# Allegro board FMDEMOD-before-back-annote.brd (continued)
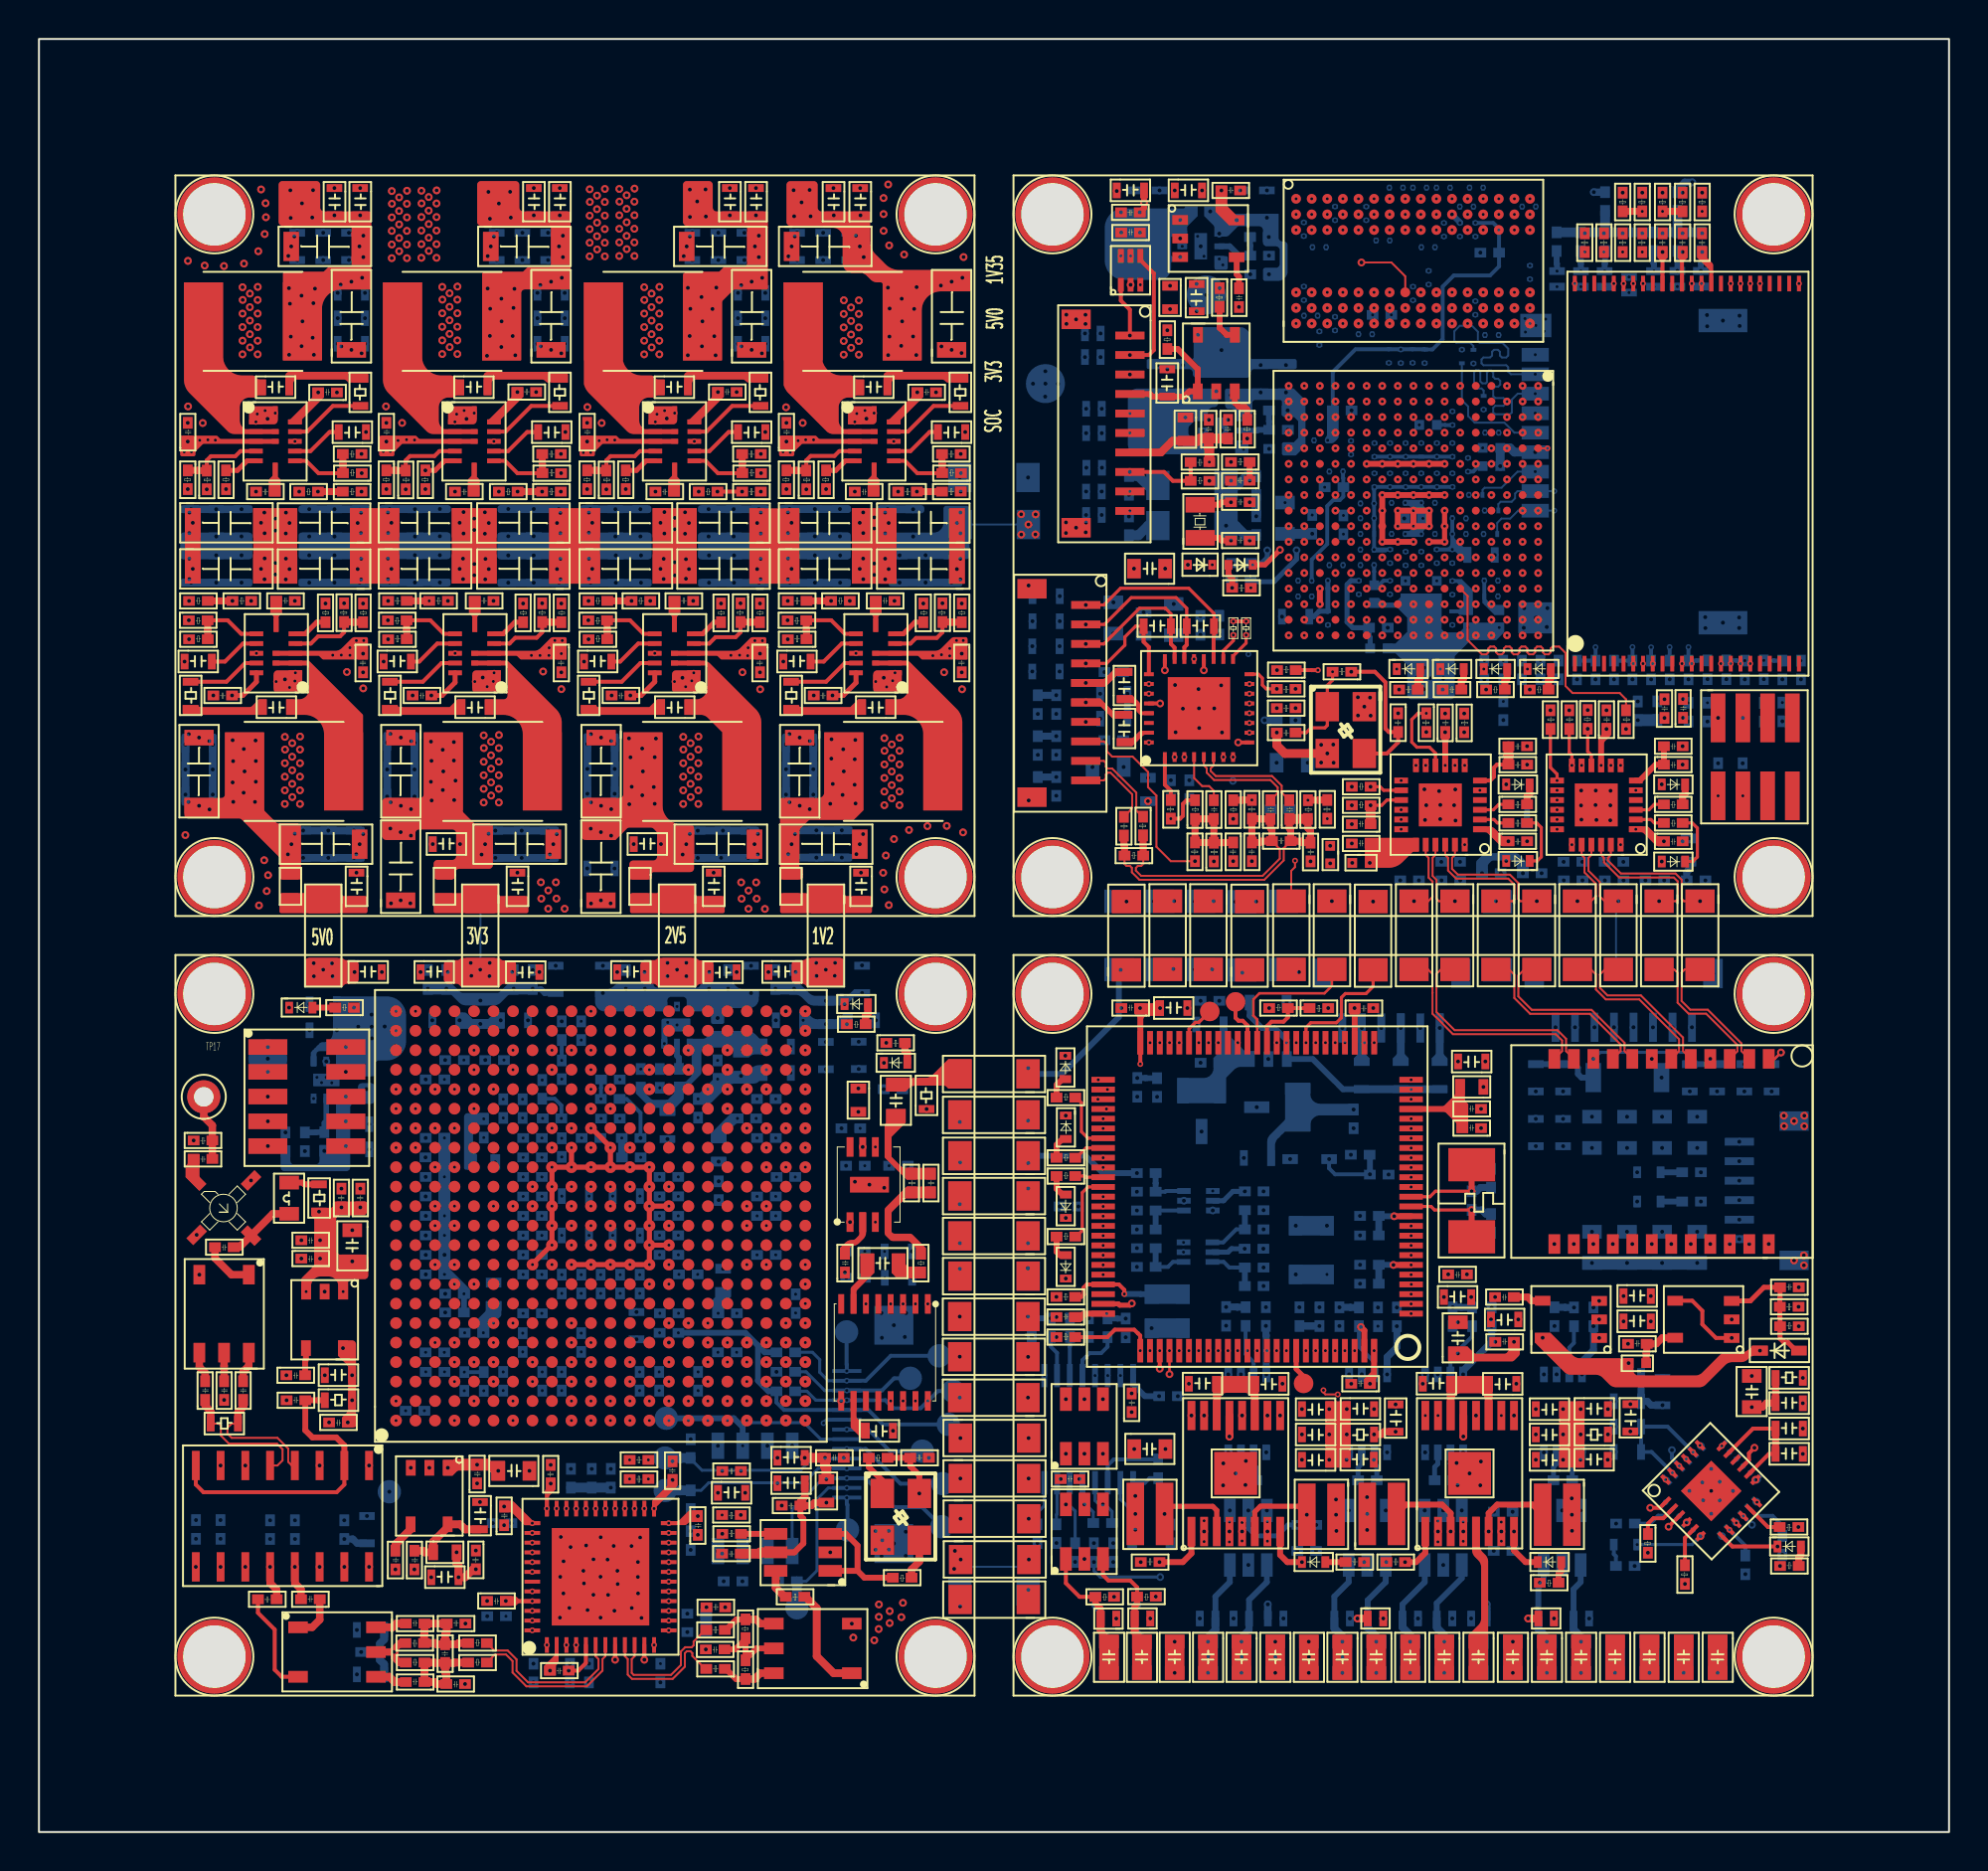
[diagram p0: board, top side]
## Placement (name value [footprint] x y rotation side) (continued)
R125  10K  [R0402]  70.93 57.41 270 top
R126  12.1K  [R0402]  71.94 50.03 0 bottom
R127  33  [R0402]  73.37 56.42 90 top
R128  10K  [R0402]  82.78 57.05 90 bottom
R129  10K  [R0402]  81.78 57.04 90 bottom
R130  10K  [R0402]  87.29 56.97 90 bottom
R131  100K  [R0402]  63.5 57.42 0 top
R132  1M  [R0402]  67.34 59.78 180 top
R133  10K  [R0402]  62.13 70.55 180 top
R134  10K  [R0402]  52.44 54.14 270 bottom
R135  10K  [R0402]  62.71 67.52 270 bottom
R136  10K  [R0402]  62.21 68.59 90 bottom
R137  10K  [R0402]  63.5 58.41 0 top
R138  NC  [R0402]  51.5 54.14 270 bottom
R139  10K  [R0402]  64.49 59.87 180 top
R140  4.7K  [R0201]  61.78 62.07 270 top
R141  4.7K  [R0201]  61.13 62.07 270 top
R150  47K  [R0402]  85.53 82.09 270 bottom
R151  47K  [R0402]  84.31 82.09 270 bottom
R152  47K  [R0402]  83.08 82.09 270 bottom
R155  47K  [R0402]  80.6 82.09 270 bottom
R157  10K  [R0402]  60.33 79.23 270 top
R158  47K  [R0402]  79.36 82.09 270 bottom
R159  47K  [R0402]  78.12 82.09 270 bottom
R160  22  [R0201]  74.17 66.75 0 bottom
R161  22  [R0201]  74.22 67.96 0 bottom
R162  22  [R0201]  73.42 68.76 0 bottom
R164  6.8K  [R0402]  61.74 72.47 270 top
R165  22  [R0201]  73.16 76.01 270 bottom
R168  22  [R0201]  73.97 73.03 90 bottom
R169  22  [R0201]  73.45 75.4 90 bottom
R180  10K  [R0402]  59.08 70.04 0 top
R181  100K  [R0402]  60.06 69.58 180 top
R182  2.2K  [R0402]  59.56 51.97 90 top
R183  100  [R0402]  59.06 50.78 270 top
R184  DNP  [R0402]  60.53 49.79 90 top
R185  DNP  [R0402]  57.82 52.96 270 top
R186  1K  [R0402]  65.85 52.96 270 top
R187  1.5K  [R0402]  65.36 51.97 90 top
R188  DNP  [R0402]  62.84 30.67 180 bottom
R189  DNP  [R0402]  56.32 33.1 0 bottom
R192  33  [R0402]  56.32 34.06 0 bottom
R193  1.5K  [R0402]  61.98 52.96 270 top
R194  33  [R0402]  62.84 31.66 180 bottom
R197  33  [R0402]  62.84 28.72 180 bottom
R198  33  [R0402]  56.32 32.14 0 bottom
R199  DNP  [R0402]  56.32 31.17 0 bottom
R200  1.5K  [R0402]  61.52 51.97 90 top
R201  DNP  [R0402]  62.84 27.76 180 bottom
R203  10K  [R0402]  51.5 56.24 270 bottom
R204  10K  [R0402]  52.44 58.34 270 bottom
R208  DNP  [R1206]  63.45 47.61 270 top
R209  DNP  [R1206]  50.59 27.25 180 top
R210  DNP  [R1206]  50.61 12.73 180 top
R211  DNP  [R1206]  69.25 44.39 90 top
R212  DNP  [R1206]  50.6 29.33 180 top
R213  DNP  [R1206]  74.03 44.38 90 bottom
R214  0  [R1206]  60.91 44.38 90 bottom
R215  0  [R1206]  62.92 44.39 90 top
R216  0  [R1206]  60.4 47.6 270 bottom
R217  0  [R1206]  58.32 47.6 270 bottom
R218  0  [R1206]  57.1 47.61 270 top
R219  0  [R1206]  59.19 47.61 270 top
R220  0  [R1206]  56.21 47.6 270 bottom
R221  0  [R1206]  64.66 47.6 270 bottom
R222  0  [R1206]  50.59 23.09 180 top
R223  0  [R1206]  50.59 25.19 180 top
R224  0  [R1206]  50.6 31.39 180 top
R225  0  [R1206]  50.59 29.78 180 bottom
R226  0  [R1206]  50.6 31.84 180 bottom
R227  0  [R1206]  50.6 33.44 180 top
R228  10K  [R0402]  28.07 41.6 270 bottom
R230  10K  [R0402]  33.69 17.54 270 bottom
R231  10K  [R0402]  38.9 12.61 180 bottom
R232  10K  [R0402]  33.19 19.18 90 bottom
R233  DNP  [R0402]  18.79 9.44 0 top
R234  DNP  [R0402]  19.79 8.94 180 top
R238  33  [R0402]  35.2 8.62 180 top
R239  33  [R0402]  22.99 9.94 180 top
R240  33  [R0402]  22.99 8.94 180 top
R241  100  [R0402]  30.3 17.86 0 top
R242  100  [R0402]  30.3 18.84 0 top
R243  33  [R0402]  35.2 10.62 180 top
R244  49.9  [R0402]  36 8.82 270 top
R245  49.9  [R0402]  36 10.92 270 top
R246  39  [R0603]  13.97 33.33 270 top
R247  1K  [R0402]  37.83 23.86 0 bottom
R248  1K  [R0402]  37.83 22.86 0 bottom
R249  100  [R0402]  38.3 11.82 0 top
R250  1K  [R0402]  37.83 24.86 0 bottom
R251  100  [R0402]  36.03 15.55 180 top
R252  49.9  [R0402]  7.92 35.23 0 top
R253  33  [R0402]  43.8 12.8 0 top
R254  1K  [R0402]  42.57 18.95 0 top
R255  1K  [R0402]  41.44 41.2 0 top
R256  1K  [R0402]  43.46 40.24 0 top
R260  10K  [R0402]  45.01 32.81 90 top
R261  5.1K  [R0402]  45.5 28.7 90 top
R262  10K  [R0603]  45.94 37 90 top
R268  0  [R0603]  7.38 59.12 270 top
R270  DNP  [R0402]  16.88 62.06 90 top
R271  294K  [R0402]  8.67 61.45 180 top
R276  40.2K  [R0402]  7.68 61.92 0 top
R311  DNP  [R0402]  55.37 14.83 270 bottom
R312  0  [R0402]  52.45 15.8 270 bottom
R313  0  [R0402]  54.37 14.83 270 bottom
R314  DNP  [R0402]  51.48 15.8 270 bottom
R316  0  [R0402]  55.51 25.38 90 bottom
R317  DNP  [R0402]  54.58 25.38 90 bottom
R318  DNP  [R0402]  56.32 30.21 0 bottom
R319  0  [R0402]  56.32 29.25 0 bottom
R320  DNP  [R0402]  52.65 25.39 90 bottom
R321  0  [R0402]  53.62 25.39 90 bottom
R322  0  [R0402]  51.66 25.39 90 bottom
R323  DNP  [R0402]  50.69 25.39 90 bottom
R324  1.5K  [R0402]  56.67 50.35 180 top
R325  15K  [R0402]  56.4 52.11 270 top
R326  15K  [R0402]  55.91 51.12 90 top
R327  33  [R1206]  84.43 47.61 270 top
R328  33  [R1206]  82.33 47.61 270 top
R329  33  [R1206]  80.23 47.61 270 top
R330  33  [R1206]  78.13 47.61 270 top
R331  33  [R1206]  76.05 47.61 270 top
R332  33  [R1206]  73.95 47.61 270 top
R333  33  [R1206]  71.85 47.61 270 top
R334  33  [R1206]  69.75 47.61 270 top
R335  0  [R1206]  50.61 33.9 180 bottom
R336  0  [R1206]  50.59 35.99 180 bottom
R337  0  [R1206]  50.6 37.6 180 top
R338  0  [R1206]  50.6 35.5 180 top
R339  0  [R1206]  50.59 38.09 180 bottom
R340  0  [R1206]  50.6 11.54 180 bottom
R341  DNP  [R1206]  50.61 27.72 180 bottom
R342  4.7K  [R0402]  84.3 34.1 0 bottom
R343  6.8K  [R0402]  84.3 32.6 0 bottom
R354  0  [R1206]  13.78 47.6 270 top
R374  10K  [R0402]  21.57 22.63 90 bottom
R375  10K  [R0402]  27.57 24.62 90 bottom
R376  0  [R0402]  30.88 34.36 180 bottom
R377  DNP  [R0402]  29.89 35.86 0 bottom
R378  0  [R0402]  28.82 37.87 0 bottom
R379  DNP  [R0402]  29.81 38.36 180 bottom
R380  DNP  [R0402]  25.57 37.61 90 bottom
R381  0  [R0402]  25.83 36.87 0 bottom
R382  DNP  [R0402]  27.07 39.6 270 bottom
R383  0  [R0402]  27.07 41.6 270 bottom
R384  25  [R0402]  35.04 16.02 0 top
R385  51  [R0603]  8.71 20.55 0 top
R386  10  [R0603]  14.56 21.75 0 top
R387  51  [R0402]  8.31 16.02 270 bottom
R388  10  [R0603]  16.43 14.72 90 bottom
R389  51  [R0402]  12.88 15.03 90 bottom
R390  51  [R0402]  11.61 15.03 90 bottom
R391  DNP  [R1206]  50.6 39.7 180 top
R392  DNP  [R1206]  56.6 44.39 90 top
R393  DNP  [R1206]  47.43 15.28 0 top
R394  DNP  [R1206]  47.42 17.34 0 top
R395  DNP  [R1206]  47.44 13.18 0 top
R396  DNP  [R1206]  47.42 19.41 0 top
R397  0  [R1206]  65.53 47.61 270 top
R398  DNP  [R0402]  57.64 77.06 270 top
R399  1K  [R0402]  16.17 42.55 180 top
R400  1K  [R0402]  53.18 34.84 180 top
R401  1K  [R0402]  53.18 37.93 180 top
R402  1K  [R0402]  53.18 30.8 180 top
R403  1K  [R0402]  53.18 33.91 180 top
R404  0  [R0402]  65.95 26.93 270 bottom
R405  DNP  [R0402]  64.92 26.93 270 bottom
R406  DNP  [R0402]  65.18 42.03 0 top
R407  0  [R0402]  64.09 42.53 180 top
R408  1K  [R0402]  55.67 66.53 90 bottom
R409  JMP  [R1206]  57.56 69.89 0 bottom
R410  JMP  [R1206]  57.56 67.83 0 bottom
R411  0  [R0402]  64.48 56.8 180 bottom
R412  787K  [R0402]  15.4 63.05 270 top
R413  100K  [R0402]  8.67 63.42 180 top
R414  DNP  [R0402]  10.9 63.42 180 top
R415  100K  [R0402]  14.95 62.06 90 top
R423  0  [R0603]  17.6 59.12 270 top
R424  DNP  [R0402]  27.05 62.06 90 top
R425  100K  [R0402]  18.88 63.42 180 top
R426  0  [R1206]  21.84 47.6 270 top
R427  182K  [R0402]  18.88 61.45 180 top
R428  499K  [R0402]  25.57 63.05 270 top
R429  DNP  [R0402]  20.99 63.42 180 top
R430  100K  [R0402]  25.09 62.06 90 top
R431  40.2K  [R0402]  17.89 61.92 0 top
R432  0  [R0603]  27.8 59.12 270 top
R433  DNP  [R0402]  37.24 62.06 90 top
R434  100K  [R0402]  29.17 63.42 180 top
R435  0  [R1206]  31.93 47.6 270 top
R436  127K  [R0402]  29.17 61.45 180 top
R437  180K  [R0402]  35.74 63.05 270 top
R438  DNP  [R0402]  31.37 63.42 180 top
R439  100K  [R0402]  35.25 62.06 90 top
R440  40.2K  [R0402]  28.18 61.92 0 top
R441  0  [R0603]  38.19 59.12 270 top
R442  DNP  [R0402]  47.59 62.06 90 top
R443  100K  [R0402]  39.39 63.42 180 top
R444  0  [R1206]  39.57 47.6 270 top
R445  40.2K  [R0402]  39.39 61.45 180 top
R446  180K  [R0402]  46.1 63.05 270 top
R447  DNP  [R0402]  41.61 63.42 180 top
R448  100K  [R0402]  45.62 62.06 90 top
R449  40.2K  [R0402]  38.4 61.92 0 top
R2681  0  [R0603]  16.89 73.07 90 top
R2701  DNP  [R0402]  7.38 69.87 270 top
R2711  294K  [R0402]  15.58 70.46 0 top
R2761  40.2K  [R0402]  16.57 69.97 180 top
R4121  787K  [R0402]  8.86 68.88 90 top
R4131  100K  [R0402]  15.58 68.53 0 top
R4141  DNP  [R0402]  13.34 68.53 0 top
R4151  100K  [R0402]  9.35 69.87 270 top
R4231  0  [R0603]  27.13 73.07 90 top
R4241  DNP  [R0402]  17.57 69.87 270 top
R4251  100K  [R0402]  25.8 68.53 0 top
R4271  182K  [R0402]  25.81 70.46 0 top
R4281  499K  [R0402]  19.07 68.88 90 top
R4291  DNP  [R0402]  23.59 68.53 0 top
R4301  100K  [R0402]  19.58 69.87 270 top
R4311  40.2K  [R0402]  26.8 69.97 180 top
R4321  0  [R0603]  37.42 73.07 90 top
R4331  DNP  [R0402]  27.88 69.87 270 top
R4361  51.1K  [R0402]  36.07 70.46 0 top
R4371  180K  [R0402]  29.36 68.88 90 top
R4391  100K  [R0402]  29.86 69.87 270 top
R4401  40.2K  [R0402]  37.06 69.97 180 top
R4411  0  [R0603]  47.68 73.07 90 top
R4421  DNP  [R0402]  38.1 69.87 270 top
R4451  51.1K  [R0402]  46.32 70.46 0 top
R4461  180K  [R0402]  39.62 68.88 90 top
R4481  100K  [R0402]  40.13 69.87 270 top
R4491  40.2K  [R0402]  47.31 69.97 180 top
R4501  100K  [R1206]  47.4 70.3 0 bottom
R4502  DNP  [R0402]  36.07 68.53 0 top
R4503  DNP  [R0402]  33.84 68.53 0 top
R4504  DNP  [R0402]  46.32 68.53 0 top
R4505  DNP  [R0402]  44.07 68.53 0 top
R4506  0  [R1206]  50.62 66.29 180 bottom
R4507  0  [R1206]  15.39 47.59 270 bottom
R4508  0  [R1206]  23.45 47.59 270 bottom
R4509  0  [R1206]  33.55 47.59 270 bottom
R4510  0  [R1206]  41.18 47.59 270 bottom
R4511  51.1K  [R0402]  62.13 82.09 0 bottom
R4512  40.2K  [R0402]  63.12 80.64 180 bottom
R4513  51.1K  [R0402]  63.12 79.67 180 bottom
R4514  DNP  [R0402]  60.1 82.9 180 bottom
R4515  DNP  [R0402]  61.17 73.48 180 bottom
R4516  51.1K  [R0402]  64.09 70.72 180 bottom
R4517  51.1K  [R0402]  63.1 73.19 0 bottom
R4518  40.2K  [R0402]  64.09 71.7 180 bottom
R4519  DNP  [R0402]  16.55 38.11 90 bottom
R4520  51.1K  [R0402]  12.4 34.93 90 bottom
R4521  51.1K  [R0402]  14.89 35.92 270 bottom
R4522  40.2K  [R0402]  13.39 34.93 90 bottom
R4523  DNP  [R0402]  34.57 40.79 90 bottom
R4524  51.1K  [R0402]  30.63 38.18 90 bottom
R4525  51.1K  [R0402]  33.08 39.17 270 bottom
R4526  40.2K  [R0402]  31.6 38.18 90 bottom
REF  -  [unnamed#2]  46 43 0 top
REF#2  -  [unnamed#2]  46 49 0 top
REF#3  -  [unnamed#2]  89 83 0 top
REF#4  -  [unnamed#2]  9 43 0 top
REF#5  -  [unnamed#2]  52 49 0 top
REF#6  -  [unnamed#2]  52 9 0 top
REF#7  -  [unnamed#2]  9 49 0 top
REF#8  -  [unnamed#2]  46 9 0 top
REF#9  -  [unnamed#2]  9 83 0 top
REF#10  -  [unnamed#2]  9 9 0 top
REF#11  -  [unnamed#2]  52 83 0 top
REF#12  -  [unnamed#2]  46 83 0 top
REF#13  -  [unnamed#2]  52 43 0 top
REF#14  -  [unnamed#2]  89 43 0 top
REF#15  -  [unnamed#2]  89 9 0 top
REF#16  -  [unnamed#2]  89 49 0 top
T1  M3295NL  [SMD-M3295NL]  90.8 39.9 180 top
T2  ETC1-1T-2TR  [SM-22]  11.41 28.5 180 top
T3  ETC1-1T-2TR  [SM-22]  41.6 7.51 90 top
T4  ETC1-1T-2TR  [SM-22]  13.39 11.14 270 top
TP17  T POINT R  [TP_THR_CIR_1D7_1D0]  8.46 37.72 0 top
TP18  T POINT R  [TP_SMD_CIR_1D0]  64.88 23.02 0 top
TP19  T POINT R  [TP_SMD_CIR_1D0]  60.07 42.1 0 top
TP20  T POINT R  [TP_SMD_CIR_1D0]  61.39 42.59 0 top
TP21  T POINT R  [TP_SMD_CIR_2D0]  51.64 74.32 180 bottom
TP22  T POINT R  [TP_SMD_CIR_2D0]  71.38 59.19 180 bottom
TP23  T POINT R  [TP_SMD_CIR_2D0]  57.46 71.91 180 bottom
TP24  T POINT R  [TP_SMD_CIR_2D0]  56.22 80.95 180 bottom
TP25  T POINT R  [TP_SMD_CIR_2D0]  59.89 78.87 180 bottom
TP27  T POINT R  [TP_SMD_CIR_2D0]  60.67 76.04 180 bottom
TP28  T POINT S  [TP_SMD_CIR_1D2]  41.44 25.66 180 bottom
TP29  T POINT S  [TP_SMD_CIR_1D2]  46.19 24.43 180 bottom
TP30  T POINT S  [TP_SMD_CIR_1D2]  44.7 23.28 180 bottom
TP31  T POINT S  [TP_SMD_CIR_1D2]  46.9 22.63 180 bottom
TP32  T POINT S  [TP_SMD_CIR_1D2]  46.66 20.92 180 bottom
TP33  T POINT S  [TP_SMD_CIR_1D2]  45.32 19.54 180 bottom
TP34  T POINT S  [TP_SMD_CIR_1D2]  32.19 21.23 180 bottom
TP35  T POINT S  [TP_SMD_CIR_1D2]  46.37 17.87 180 bottom
TP36  T POINT S  [TP_SMD_CIR_1D2]  32.12 19.19 180 bottom
TP37  T POINT S  [TP_SMD_CIR_1D2]  32.13 17.52 180 bottom
TP38  T POINT S  [TP_SMD_CIR_1D2]  46.32 15.66 180 bottom
TP39  T POINT S  [TP_SMD_CIR_1D2]  38.89 11.5 180 bottom
TP40  T POINT S  [TP_SMD_CIR_1D2]  41.48 15.5 180 bottom
TP41  T POINT R  [TP_SMD_CIR_2D0]  17.07 41.32 180 bottom
TP42  T POINT R  [TP_SMD_CIR_2D0]  11.74 39.68 180 bottom
TP43  T POINT S  [TP_SMD_CIR_1D2]  17.98 17.46 180 bottom
U1  MCP6001T-I/OT  [SOT-23-5]  63.08 41.11 180 bottom
U2  TL431AIDBZT  [SOT-23-3]  61.17 38.34 270 bottom
U3  STM32F103VET6  [LQFP-100]  62.5 32.6 90 top
U4  TL431AIDBZT  [SOT-23-3]  64.88 35.67 180 bottom
U5  SGM2028-3.3  [SOT-23-5]  78.6 26.3 90 top
U6  SN74LVC2G34DBVR  [SOT-23-6]  69.1 13.7 90 bottom
U7  DRV8848PWPR  [HTSSOP-16]  61.4 18.4 90 top
U8  DRV8846RGER  [VQFN-24]  85.8 17.5 135 bottom
U9  SN74LVC2G34DBVR  [SOT-23-6]  63 13.7 90 bottom
U10  AD8226ARMZ  [MSOP-8]  69.8 18.9 180 bottom
U11  AD8226ARMZ  [MSOP-8]  63.6 18.9 180 bottom
U12  SN74LVC2G34DBVR  [SOT-23-6]  79.1 13.7 90 bottom
U13  DRV8846RGER  [VQFN-24]  85.8 17.5 45 top
U14  DRV8848PWPR  [HTSSOP-16]  73.4 18.4 90 top
U15  SN74LVC2G34DBVR  [SOT-23-6]  73 13.7 90 bottom
U16  AD8226ARMZ  [MSOP-8]  79.8 18.9 180 bottom
U17  AD8226ARMZ  [MSOP-8]  73.7 18.9 180 bottom
U18  MCP6001T-I/OT  [SOT-23-5]  85.4 26.3 90 top
U19  MCIMX6Y2CVM05AB  [MAPBGA-289]  76.92 74.2 270 top
U20  NT5CC256M16EP-EK  [VFBGA-96]  64.5 77.4 90 top
U21  LAN8720Ai-CP-TR  [QFN-24]  79.9 52.7 180 top
U22  LAN8720Ai-CP-TR  [QFN-24]  71.9 52.7 180 top
U23  MT29F4G08ABADAWP-IT  [TSOP-48]  84.6 69.7 90 top
U24  WM8960CGEFL/V  [QFN-32]  59.52 57.66 90 top
U29  SY6280AAAC  [SOT-23-5]  60.41 75.37 0 top
U31  SN74LVC2G34DRL  [SOT-6]  55.51 79.39 90 top
U32  SP3232EEY  [TSSOP-16]  56.13 23.42 180 bottom
U33  SN74LVC2G34DRL  [SOT-6]  58.74 31.89 0 bottom
U34  SN74LVC2G34DRL  [SOT-6]  58.72 29.25 0 bottom
U35  EPCQ16ASI8N  [SO-8]  38.65 19.82 180 bottom
U36  LTC2207  [QFN-48]  28.81 13.1 90 top
U39  SN74LVC2G34DBVR  [SOT-23-6]  40.6 13.4 180 top
U40  SGM2028-3.3  [SOT-23-5]  20.03 17.24 180 top
U42  PCM1754  [SSOP-16]  40.9 27.7 270 top
U43  TPA711  [MSOP-8-PAD]  41.61 34.91 0 top
U46  SGM2028-3.3  [SOT-23-5]  60 81.76 270 top
U54  SN74LVC2G34DBVR  [SOT-23-6]  52.69 14.01 90 top
U55  SN74LVC2G34DBVR  [SOT-23-6]  52.69 19.41 90 top
U56  EP4CE40F23I7  [FBGA-484]  18.32 21.11 90 top
U57  AD8306AR  [SO-16]  12.5 16.2 180 top
U58  SGM2028-3.3  [SOT-23-5]  14.66 26.28 180 top
U59  MP2326GD  [QFN-14]  12.17 60.48 180 top
U61  MP2326GD  [QFN-14]  22.36 60.48 180 top
U62  MP2326GD  [QFN-14]  32.61 60.48 180 top
U63  MP2326GD  [QFN-14]  42.93 60.48 180 top
U591  MP2326GD  [QFN-14]  12.12 71.35 0 top
U611  MP2326GD  [QFN-14]  22.33 71.35 0 top
U621  MP2326GD  [QFN-14]  32.61 71.35 0 top
U631  MP2326GD  [QFN-14]  42.85 71.35 0 top
U632  TPS74601PBQWDRVRQ1  [WSON-6]  59.61 81.36 180 bottom
U633  TPS74601PBQWDRVRQ1  [WSON-6]  60.67 71.9 180 bottom
U634  TPS74601PBQWDRVRQ1  [WSON-6]  14.74 38.59 90 bottom
U635  TPS74601PBQWDRVRQ1  [WSON-6]  32.74 41.41 90 bottom
UNK3VBATTERY1  COIN_3V  [C0805]  57.98 65.44 180 top
Y1  8MHz  [CRY5032]  72 34.9 270 top
Y2  24MHz  [TSX-3225-4P]  65.8 58.17 270 top
Y3  32.768KHz  [FC-12M]  60.18 66.19 90 top
Y5  KC3225A49.1520C30E00  [TSX-3225-4P]  42.97 17.8 270 top

## Library data of the parts
A1 = ERA-2SM
C1-C6 C12 C17-C63 C65-C67 C69-C125 C127-C129 C131-C141 C145-C150 C152-C154 C158 C162 C166 C167 C174-C189 C191 C193-C201 C203 C214-C216 C218-C234 C237-C244 C250-C262 C267-C270 C277-C280 C287-C296 C298 C306-C308 C310-C316 C323 C386 C395 C404-C407 C409-C439 C441-C480 C488-C497 C500-C507 C516-C532 C534-C545 C1307 C1308 C3061 C3101 C3131 C3141 C3231 C3861 C5061 C5071 C5161 C5171 C5181 C5191 C5201 C5211 C5221 C5231 C5241 C5251 C5261 C5271 C5281 C5291 C5301 C5311 C5321 C5331 C5341 C5351 C5361 C5371 C5391 C5401 C5411 C5421 C5431 C5441 C5451 C5472-C5510 C5512-C5623 C5627-C5643 C5645-C5657 = CAP NP
C7-C11 C13-C16 C209-C213 C248 C322 C367-C378 C396-C403 C408 C481-C487 C498 C499 = CAP NP: signal model: DEFAULT_CAPACITOR_100000pF_2_1
C64 C68 C5644 = CAP NP_C0402_DISCRETE_0.22UF
C190 C192 = CAP
C202 C204 C205 = CAP NP: signal model: DEFAULT_CAPACITOR_8.200000pF_2_1
C206-C208 C440 = CAP NP: signal model: DEFAULT_CAPACITOR_1e+06pF_2_1
D1 D18 = 1N4148WT
D2-D4 D7-D12 D15-D17 D29-D35 D42-D48 D51-D54 = DIODE BI-DIR TRIG
D5 D6 D13 D14 D21-D28 D49 D50 D55-D61 = LED
D19 D20 = RB521S-30
J1 J16 = HEADER1x6_1
J7 = HEADER-2X4
J8 = HEADER1X8_0
J9 = MicroSDSlot
J13 J17 = HEADER1X10
J14 = FPC-14P-0.5
J18 = HEADER-2X5P
L1-L6 L8-L11 L13-L15 L17 L24-L26 L28 L30-L40 L442-L444 = BEAD
L7 = INDUCTOR: signal model: DEFAULT_INDUCTOR_1000nH_2_1
L18 L42-L44 L181 L421 L431 L441 = INDUCTOR
R1-R5 R8-R47 R157 R164 R180-R189 R192-R194 R197-R201 R208-R228 R230-R232 R241 R242 R249 R251 R254-R256 R260-R262 R268 R270 R271 R276 R311-R314 R316-R326 R335-R343 R354 R374 R375 R391-R407 R409 R410 R412-R415 R423-R449 R2681 R2701 R2711 R2761 R4121 R4131 R4141 R4151 R4231 R4241 R4251 R4271 R4281 R4291 R4301 R4311 R4321 R4331 R4361 R4371 R4391 R4401 R4411 R4421 R4451 R4461 R4481 R4491 R4501-R4526 = R
R50-R64 R66-R141 R150-R152 R155 R158 R159 R161 R162 R165 R168 R169 R203 R204 R327-R334 R408 R411 = R_2
R160 = R_2: signal model: R_R0201_DISCRETE_22_22
R233 R234 R238-R240 R243 R247 R248 R250 R376-R384 = R: signal model: DEFAULT_RESISTOR_22.000000OHM_2_1
R244 R245 R252 = R: signal model: DEFAULT_RESISTOR_49.900000OHM_2_1
R246 R253 R385-R390 = R: signal model: DEFAULT_RESISTOR_39.000000OHM_2_1
T1 = M3295NL
T2-T4 = ADT2-1T+_0
TP17-TP25 TP27 TP41 TP42 = T POINT R
TP28-TP40 TP43 = T POINT S
U1 U18 = MCP6001T-I/OT
U2 U4 = TL431AIDBZT
U3 = STM32F103VET6
U5 U40 U46 U58 = SGM2028-3.3
U6 U9 U12 U15 U31 U33 U34 U54 U55 = SN74LVC2G34DRL
U7 U14 = DRV8848PWPR
U8 U13 = DRV8846RGER
U10 U11 U16 U17 = AD8226ARMZ
U19 = MCIMX6Y2CVM05AB_0
U20 = NT5CC256M16EP-EK
U21 U22 = LAN8720A
U23 = MT29F4G08ABADAWP-IT_0
U24 = WM8960_0
U29 = SY6280AAAC
U32 = SP3232EEY
U35 = EPCS4SI8N_0
U36 = LTC2207
U39 = SN74LVC2G34DBV
U42 = PCM1754
U43 = TPA711
U56 = EP4CE40F23I7_6
U57 = AD8306AR_0
U59 U61-U63 U591 U611 U621 U631 = MP2326GD
U632-U635 = TPS74601PBQWDRVRQ1
UNK3VBATTERY1 = BATTERY
Y1 Y3 = CRYSTAL
Y2 = Crystal
Y5 = OSCILLATOR

## Footprints (pads in the part's own frame, mm; a bottom-side part is the same pattern mirrored in y, then rotated)
C0201
  rect 0.2x0.3 smd: 1(-0.05,0.15) 2(0.65,0.15)
C0402
  rect 0.6x0.5 smd: 1(0.01,0.25) 2(0.97,0.25)
C0603
  rect 0.4x0.8 smd: 1(0.1,0.4) 2(1.5,0.4)
C0805
  rect 0.7x1 smd: 1(0.2,0.62) 2(1.8,0.62)
C1206
  rect 0.8x1.5 smd: 1(-0.15,0.79) 2(3.35,0.79)
CD54-IND-2P
  rect 2x4 smd: 1(0,2.54) 2(5.08,2.54)
CRY5032
  rect 1.7x2.4 smd: 1(0.66,1.51) 2(4.36,1.51)
DF1006
  rect 0.4x0.8 smd: 1(0.1,0.3) 2(0.9,0.3)
ERA-2SM
  rect 1x0.5 smd: 1(-2,0) 3(2,0)
  rect 0.5x1 smd: 2(0,-1.945) 4(0,2)
FB0402
  rect 0.5x0.5 smd: 1(0.05,0.24) 2(0.95,0.24)
FB0603
  rect 0.5x0.8 smd: 1(0.2,0.4) 2(1.4,0.4)
FBGA-484
  round 0.6 smd: A1(0,0) A2(1,0) A3(2,0) A4(3,0) A5(4,0) A6(5,0) A7(6,0) A8(7,0) A9(8,0) A10(9,0) A11(10,0) A12(11,0) A13(12,0) A14(13,0) A15(14,0) A16(15,0) A17(16,0) A18(17,0) A19(18,0) A20(19,0) A21(20,0) A22(21,0) AA1(0,-20) AA2(1,-20) AA3(2,-20) AA4(3,-20) AA5(4,-20) AA6(5,-20) AA7(6,-20) AA8(7,-20) AA9(8,-20) AA10(9,-20) AA11(10,-20) AA12(11,-20) AA13(12,-20) AA14(13,-20) AA15(14,-20) AA16(15,-20) AA17(16,-20) AA18(17,-20) AA19(18,-20) AA20(19,-20) AA21(20,-20) AA22(21,-20) AB1(0,-21) AB2(1,-21) AB3(2,-21) AB4(3,-21) AB5(4,-21) AB6(5,-21) AB7(6,-21) AB8(7,-21) AB9(8,-21) AB10(9,-21) AB11(10,-21) AB12(11,-21) AB13(12,-21) AB14(13,-21) AB15(14,-21) AB16(15,-21) AB17(16,-21) AB18(17,-21) AB19(18,-21) AB20(19,-21) AB21(20,-21) AB22(21,-21) B1(0,-1) B2(1,-1) B3(2,-1) B4(3,-1) B5(4,-1) B6(5,-1) B7(6,-1) B8(7,-1) B9(8,-1) B10(9,-1) B11(10,-1) B12(11,-1) B13(12,-1) B14(13,-1) B15(14,-1) B16(15,-1) B17(16,-1) B18(17,-1) B19(18,-1) B20(19,-1) B21(20,-1) B22(21,-1) C1(0,-2) C2(1,-2) C3(2,-2) C4(3,-2) C5(4,-2) C6(5,-2) C7(6,-2) C8(7,-2) C9(8,-2) C10(9,-2) C11(10,-2) C12(11,-2) C13(12,-2) C14(13,-2) C15(14,-2) C16(15,-2) C17(16,-2) C18(17,-2) C19(18,-2) C20(19,-2) C21(20,-2) C22(21,-2) D1(0,-3) D2(1,-3) D3(2,-3) D4(3,-3) D5(4,-3) D6(5,-3) D7(6,-3) D8(7,-3) D9(8,-3) D10(9,-3) D11(10,-3) D12(11,-3) D13(12,-3) D14(13,-3) D15(14,-3) D16(15,-3) D17(16,-3) D18(17,-3) D19(18,-3) D20(19,-3) D21(20,-3) D22(21,-3) E1(0,-4) E2(1,-4) E3(2,-4) E4(3,-4) E5(4,-4) E6(5,-4) E7(6,-4) E8(7,-4) E9(8,-4) E10(9,-4) E11(10,-4) E12(11,-4) E13(12,-4) E14(13,-4) E15(14,-4) E16(15,-4) E17(16,-4) E18(17,-4) E19(18,-4) E20(19,-4) E21(20,-4) E22(21,-4) F1(0,-5) F2(1,-5) F3(2,-5) F4(3,-5) F5(4,-5) F6(5,-5) F7(6,-5) F8(7,-5) F9(8,-5) F10(9,-5) F11(10,-5) F12(11,-5) F13(12,-5) F14(13,-5) F15(14,-5) F16(15,-5) F17(16,-5) F18(17,-5) F19(18,-5) F20(19,-5) F21(20,-5) F22(21,-5) G1(0,-6) G2(1,-6) G3(2,-6) G4(3,-6) G5(4,-6) G6(5,-6) G7(6,-6) G8(7,-6) G9(8,-6) G10(9,-6) G11(10,-6) G12(11,-6) G13(12,-6) G14(13,-6) G15(14,-6) G16(15,-6) G17(16,-6) G18(17,-6) G19(18,-6) G20(19,-6) G21(20,-6) G22(21,-6) H1(0,-7) H2(1,-7) H3(2,-7) H4(3,-7) H5(4,-7) H6(5,-7) H7(6,-7) H8(7,-7) H9(8,-7) H10(9,-7) H11(10,-7) H12(11,-7) H13(12,-7) H14(13,-7) H15(14,-7) H16(15,-7) H17(16,-7) H18(17,-7) H19(18,-7) H20(19,-7) H21(20,-7) H22(21,-7) J1(0,-8) J2(1,-8) J3(2,-8) J4(3,-8) J5(4,-8) J6(5,-8) J7(6,-8) J8(7,-8) J9(8,-8) J10(9,-8) J11(10,-8) J12(11,-8) J13(12,-8) J14(13,-8) J15(14,-8) J16(15,-8) J17(16,-8) J18(17,-8) J19(18,-8) J20(19,-8) J21(20,-8) J22(21,-8) K1(0,-9) K2(1,-9) K3(2,-9) K4(3,-9) K5(4,-9) K6(5,-9) K7(6,-9) K8(7,-9) K9(8,-9) K10(9,-9) K11(10,-9) K12(11,-9) K13(12,-9) K14(13,-9) K15(14,-9) K16(15,-9) K17(16,-9) K18(17,-9) K19(18,-9) K20(19,-9) K21(20,-9) K22(21,-9) L1(0,-10) L2(1,-10) L3(2,-10) L4(3,-10) L5(4,-10) L6(5,-10) L7(6,-10) L8(7,-10) L9(8,-10) L10(9,-10) L11(10,-10) L12(11,-10) L13(12,-10) L14(13,-10) L15(14,-10) L16(15,-10) L17(16,-10) L18(17,-10) L19(18,-10) L20(19,-10) L21(20,-10) L22(21,-10) M1(0,-11) M2(1,-11) M3(2,-11) M4(3,-11) M5(4,-11) M6(5,-11) M7(6,-11) M8(7,-11) M9(8,-11) M10(9,-11) M11(10,-11) M12(11,-11) M13(12,-11) M14(13,-11) M15(14,-11) M16(15,-11) M17(16,-11) M18(17,-11) M19(18,-11) M20(19,-11) M21(20,-11) M22(21,-11) N1(0,-12) N2(1,-12) N3(2,-12) N4(3,-12) N5(4,-12) N6(5,-12) N7(6,-12) N8(7,-12) N9(8,-12) N10(9,-12) N11(10,-12) N12(11,-12) N13(12,-12) N14(13,-12) N15(14,-12) N16(15,-12) N17(16,-12) N18(17,-12) N19(18,-12) N20(19,-12) N21(20,-12) N22(21,-12) P1(0,-13) P2(1,-13) P3(2,-13) P4(3,-13) P5(4,-13) P6(5,-13) P7(6,-13) P8(7,-13) P9(8,-13) P10(9,-13) P11(10,-13) P12(11,-13) P13(12,-13) P14(13,-13) P15(14,-13) P16(15,-13) P17(16,-13) P18(17,-13) P19(18,-13) P20(19,-13) P21(20,-13) P22(21,-13) R1(0,-14) R2(1,-14) R3(2,-14) R4(3,-14) R5(4,-14) R6(5,-14) R7(6,-14) R8(7,-14) R9(8,-14) R10(9,-14) R11(10,-14) R12(11,-14) R13(12,-14) R14(13,-14) R15(14,-14) R16(15,-14) R17(16,-14) R18(17,-14) R19(18,-14) R20(19,-14) R21(20,-14) R22(21,-14) T1(0,-15) T2(1,-15) T3(2,-15) T4(3,-15) T5(4,-15) T6(5,-15) T7(6,-15) T8(7,-15) T9(8,-15) T10(9,-15) T11(10,-15) T12(11,-15) T13(12,-15) T14(13,-15) T15(14,-15) T16(15,-15) T17(16,-15) T18(17,-15) T19(18,-15) T20(19,-15) T21(20,-15) T22(21,-15) U1(0,-16) U2(1,-16) U3(2,-16) U4(3,-16) U5(4,-16) U6(5,-16) U7(6,-16) U8(7,-16) U9(8,-16) U10(9,-16) U11(10,-16) U12(11,-16) U13(12,-16) U14(13,-16) U15(14,-16) U16(15,-16) U17(16,-16) U18(17,-16) U19(18,-16) U20(19,-16) U21(20,-16) U22(21,-16) V1(0,-17) V2(1,-17) V3(2,-17) V4(3,-17) V5(4,-17) V6(5,-17) V7(6,-17) V8(7,-17) V9(8,-17) V10(9,-17) V11(10,-17) V12(11,-17) V13(12,-17) V14(13,-17) V15(14,-17) V16(15,-17) V17(16,-17) V18(17,-17) V19(18,-17) V20(19,-17) V21(20,-17) V22(21,-17) W1(0,-18) W2(1,-18) W3(2,-18) W4(3,-18) W5(4,-18) W6(5,-18) W7(6,-18) W8(7,-18) W9(8,-18) W10(9,-18) W11(10,-18) W12(11,-18) W13(12,-18) W14(13,-18) W15(14,-18) W16(15,-18) W17(16,-18) W18(17,-18) W19(18,-18) W20(19,-18) W21(20,-18) W22(21,-18) Y1(0,-19) Y2(1,-19) Y3(2,-19) Y4(3,-19) Y5(4,-19) Y6(5,-19) Y7(6,-19) Y8(7,-19) Y9(8,-19) Y10(9,-19) Y11(10,-19) Y12(11,-19) Y13(12,-19) Y14(13,-19) Y15(14,-19) Y16(15,-19) Y17(16,-19) Y18(17,-19) Y19(18,-19) Y20(19,-19) Y21(20,-19) Y22(21,-19)
FC-12M
  rect 0.8x1.5 smd: 1(0.21,0.6) 2(1.91,0.6)
FPC-14P-0D5
  rect 0.2x1.5 smd: 1(-3.251,3.479) 2(-2.751,3.479) 3(-2.251,3.479) 4(-1.751,3.479) 5(-1.251,3.479) 6(-0.751,3.479) 7(-0.251,3.479) 8(0.249,3.479) 9(0.749,3.479) 10(1.249,3.479) 11(1.749,3.479) 12(2.249,3.479) 13(2.749,3.479) 14(3.249,3.479)
  rect 2x2 smd: M1(-5.6,1.06) M2(5.6,1.066)
HEADER-2X5P-1D27-SMD
  rect 0.8x2 smd: 1(0,-4) 2(1.27,-4) 3(2.54,-4) 4(3.81,-4) 5(5.08,-4) 6(5.08,0) 7(3.81,0) 8(2.54,0) 9(1.27,0) 10(0,0)
HTSSOP-16
  rect 1.5x0.4 smd: 1(-2.98,2.27) 2(-2.98,1.62) 3(-2.98,0.97) 4(-2.98,0.32) 5(-2.98,-0.33) 6(-2.98,-0.98) 7(-2.98,-1.63) 8(-2.98,-2.28) 9(2.97,-2.28) 10(2.97,-1.63) 11(2.97,-0.98) 12(2.97,-0.33) 13(2.97,0.32) 14(2.97,0.97) 15(2.97,1.62) 16(2.97,2.27)
  rect 2.2x2.2 smd: 17(0,0)
